# Altium PCB Stabiliser.PCBDOC (part 4 of 8) (continued)
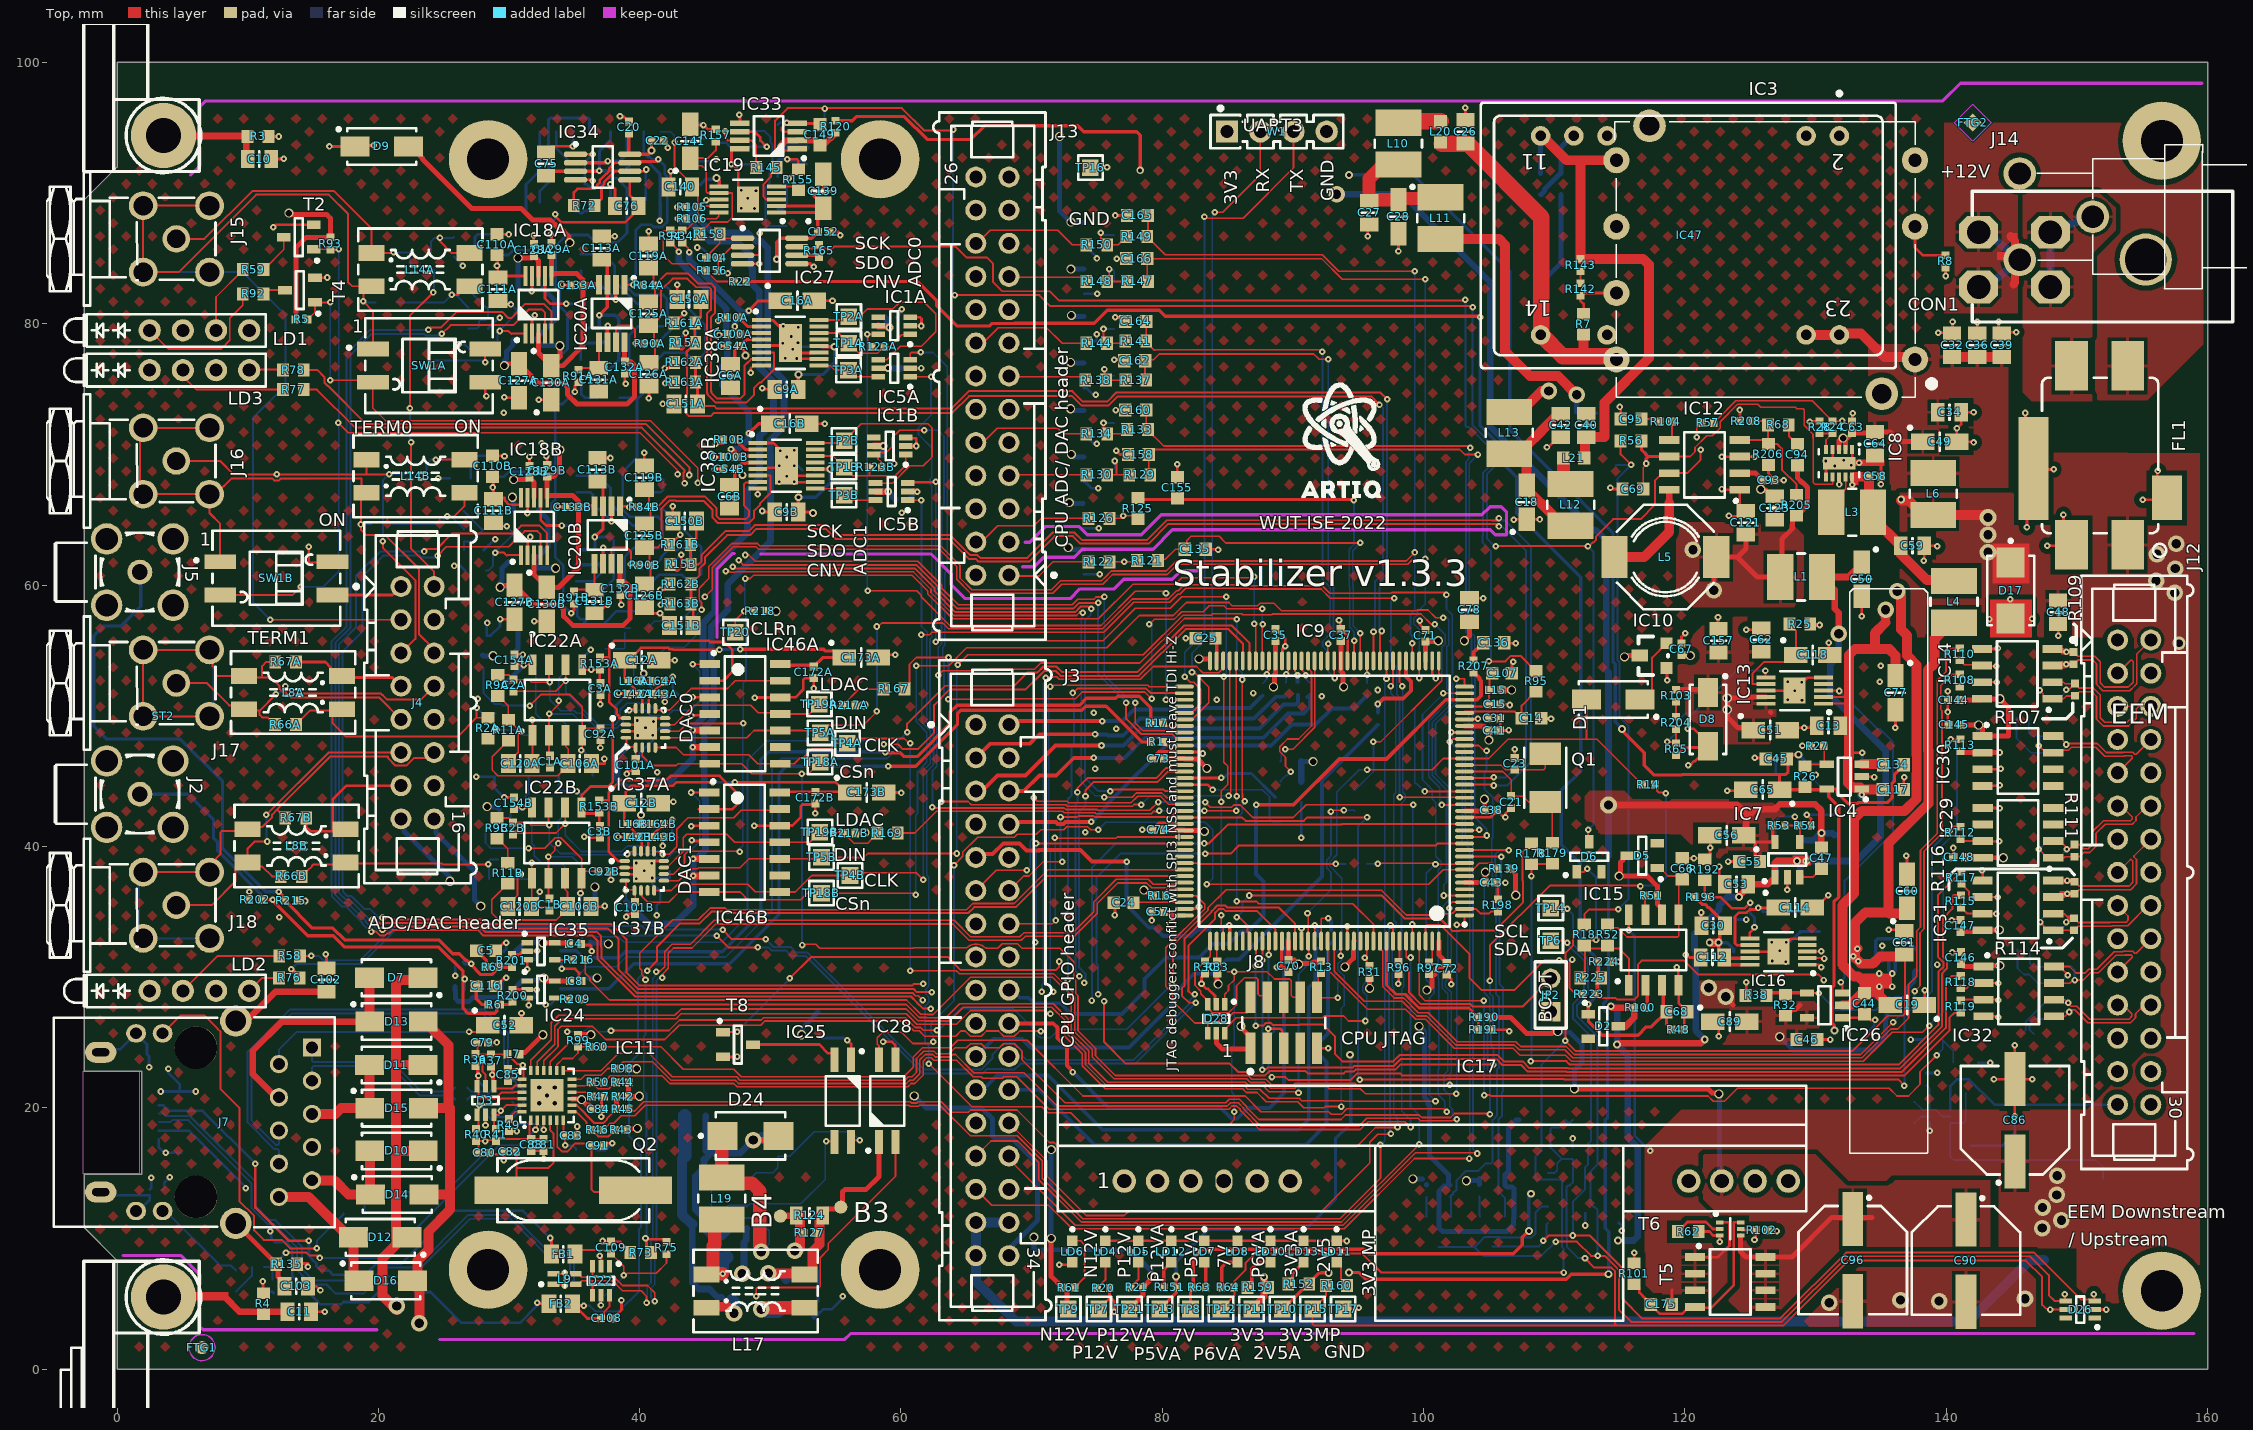
[diagram p0: Top view]
## Nets (pads, with @x,y where several pads share a name; then routed paths per layer and width w, separated by ;. In a path a pad name is that pad's centre, name@x,y a point inside that pad or via, vN(x,y) a via of type N, cw(c..) or ccw(c..) an arc to the next point about the centre after c; other vN are vias at no path point) (continued)
  Top w0.381: R218.2@49.708,58.008 49.711,58.004 50.443,58.004 v2(50.447,58.001)
  L3 w0.203: v1(84.159,51.227) 81.135,51.227 80.504,50.595 80.011,50.595 79.816,50.4 77.029,50.4 76.837,50.207 75.807,50.207 75.668,50.347 75.377,50.347 75.257,50.227 v1(74.748,50.227) 74.733,50.212 74.733,49.864 74.117,49.248 74.117,46.36 74.53,45.947 v1(74.854,45.947) 74.854,43.661 73.931,42.739 73.931,41.236 v1(74.094,41.072) 74.378,41.072 74.771,40.68 75.402,40.68 75.681,40.959 75.681,41.34 75.913,41.572 75.913,42.838 80.189,47.114 88.181,47.114 89.886,48.819 94.247,48.819 95.669,50.241 95.669,51.148 v1(96.495,51.973) 94.728,51.973 94.23,51.476 93.407,51.476 92.909,51.973 89.317,51.973 88.842,51.498 88.181,51.498 87.707,51.973 87.275,51.973 87.041,51.74 v1(86.97,51.74) 85.164,51.74 84.714,51.29
  Bot w0.203: J9.6@-2.211,13.545 -1.982,13.316 2.5,13.316 2.5,12.925 1.67,12.095 J7.L4@1.46,12.095 ; J9.7@-2.211,24.245 -1.982,24.475 0.239,24.475 J7.L2@1.46,25.695 2.3,24.855 2.3,24.095 2.452,23.944 v1(2.452,23.096) ; J9.9@2.526,13.772 2.625,13.871 v1(2.625,14.642) ; J9.5@3.2,17.595 3.2,16.963 3.617,16.545 J9.11@4.9,16.545 ; v1(3.359,21.245) v1(6.04,21.245) ; J9.9@3.454,13.695 3.603,13.844 3.603,14.237 v1(4.051,14.685) ; v1(3.939,22.987) 3.939,22.667 4.801,21.806 J9.10@4.801,21.245 ; v1(11.151,6.706) 11.138,6.693 11.138,6.04 11.257,5.921 R55.2@11.887,5.921 R55.2@11.989,5.819 ; v1(24.577,68.174) 24.583,68.179 R82B.1@25.467,68.179 ; R82A.1@25.801,85.144 26.467,84.479 v1(26.467,84.43) ; v1(25.882,30.096) D30.2@25.882,31.196 ; v1@25.882,61.468 26.274,61.468 C124B.1@26.632,61.11 ; v1@26.216,78.433 26.608,78.433 C124A.1@26.966,78.074 ; v1(27.5,45.346) 27.524,45.322 C98B.2@28.896,45.322 28.896,44.482 v1(29.628,43.75) ; R89B.1@28.067,62.67 28.897,63.5 v1(28.956,63.5) ; v1(28.331,57.105) 28.307,57.081 C98A.2@28.307,56.136 28.602,56.136 29.317,56.85 v1(29.317,57.404) ; R89A.1@28.401,79.634 29.232,80.465 v1(29.29,80.465) ; C163.1@29.49,29.1 29.49,29.636 v1(29.794,29.94) ; C161.1@29.592,31.957 29.794,32.159 v1(29.794,32.623) ; C97B.1@32.267,35.25 32.267,36.445 v1(32.357,36.535) ; v1(32.827,27.876) 32.866,27.916 33.165,27.916 33.569,28.32 33.569,28.352 33.667,28.45 IC21.3@33.942,28.45 ; C97A.1@33.796,45.419 33.796,44.461 34.036,44.221 v1(35.186,44.221) ; IC2.3@33.942,31.373 34.036,31.279 v3(34.036,30.627) ; RN3.7@34.897,94.701 34.9,94.698 v1(34.9,93.599) ; RN5A.4@35.607,53.91 35.607,54.409 v1(36.246,55.048) ; C87.1@36.741,16.764 37.389,16.764 v1(37.897,17.272) ; RN4.4@37.766,89.301 v1(37.766,90.67) ; v1(41.307,34.727) 41.307,35.492 C138B.2@41.578,35.764 41.578,36.535 40.953,37.16 v3(40.953,37.582) 42.303,37.582 C99B.2@42.303,38.11 ; v1(41.352,45.665) 39.958,47.058 40.998,48.098 v3(40.998,48.52) 41.526,49.048 C99A.2@42.348,49.048 ; C168.1@43.898,95.751 44.272,95.378 44.637,95.378 44.803,95.212 v1(44.883,95.212) ; v1(44.413,85.84) 44.47,85.784 44.779,85.784 45.419,85.144 R154.1@45.419,85.094 ; C122.1@44.653,92.442 45.638,92.442 45.793,92.597 v1(45.873,92.597) ; v1(47.019,92.202) IC42.5@48.364,92.202 ; C167.1@50.564,88.805 50.929,88.805 C167.1@51.25,89.126 ; IC42.4@50.564,91.272 50.564,92.481 50.683,92.6 v1(51.291,92.6) 51.371,92.6 51.52,92.45 52.515,92.45 IC42.3@52.764,92.202 ; IC42.8@50.564,95.222 50.719,95.378 v1(51.25,95.378) ; C167.1@51.25,89.276 51.25,90.922 51.408,91.08 v1(51.408,91.148) ; v3(51.84,69.133) 52.116,69.133 C137B.1@52.44,68.809 ; v3(52.121,78.549) 52.438,78.232 C137A.1@52.941,78.232 ; C105.1@53.646,4.353 53.252,3.959 53.34,3.871 54.041,4.572 54.676,4.572 55.601,5.496 55.55,5.547 v1(55.55,5.563) ; C33.1@53.646,7.529 53.646,5.248 C105.1@53.697,5.197 ; C7B.1@59.461,69.988 59.491,69.959 v1(59.491,69.305) ; C7A.1@59.647,80.5 60.014,80.868 60.014,81.071 v1(60.071,81.128) ; v1(60.071,65.533) v1@60.071,65.591 ; C159B.1@60.477,66.548 60.686,66.756 60.858,66.756 v1(61.259,67.158) ; C159A.1@60.877,76.6 60.89,76.614 v1(61.566,76.614) ; D25.1@73.925,64.356 73.929,64.36 v1(75.15,64.36) ; D23.1@74,60.827 v1(75.225,60.827) ; D27.1@74,67.912 74.1,67.912 74.6,67.412 v1(75.1,67.412) ; D29.1@74,71.462 74.1,71.462 74.733,70.83 v1(74.979,70.83) ; D31.1@74,75.084 74.2,75.084 74.7,74.584 v1(74.9,74.584) ; D33.1@74.025,78.655 74.925,78.655 74.975,78.705 v1(74.975,79.195) ; D35.1@74.025,82.291 v1(75.025,82.291) ; D34.1@74.025,85.841 74.225,85.841 75,85.066 v1(75,85) ; v1(90.643,40.675) R183.2@90.643,41.905 R182.2@90.643,43.367 ; v1(111.418,17.651) 111.418,16.989 C17.1@111.42,16.987 ; IC6.2@112.37,11.933 112.376,11.927 112.376,10.996 v1(112.383,10.989) ; v1(112.483,72.26) 112.54,72.316 112.54,72.472 113.234,73.166 C29.1@113.234,73.191 ; IC48.4@114.929,11.186 114.971,11.186 115.17,10.988 v1(115.17,10.574) ; C115.2@123.723,34.549 123.867,34.405 v1(124.692,34.405) ; v1(126.94,46.696) 126.94,45.626 C169.1@127.092,45.474 ; v3(127.748,32.671) 127.793,32.716 128.081,32.716 128.421,33.057 128.421,33.065 128.77,33.414 R210.1@128.82,33.414 ; v1(127.842,36.695) 127.867,36.72 127.867,37.761 IC45.2@127.892,37.786 ; R210.1@128.779,33.488 R211.1@130.3,33.488 ; v1(129.337,42.418) 131.392,42.418 C171.1@131.445,42.471 ; IC43.2@133.542,45.346 133.558,45.33 134.477,45.33 v1(134.493,45.314) ; C174.1@133.75,25.545 133.75,25.57 134.493,26.313 134.493,26.664 v1(134.55,26.721) ; IC44.6@135.107,31.177 135.107,32.399 v1(135.114,32.407) ; v1(137.274,25.222) R197.1@138.138,25.222 ; R196.1@138.46,22.665 v1(139.297,22.665) ; R195.1@141.91,17.098 144.293,17.098 145.25,18.056 v1(145.25,19.345) ; T11.2@142.444,23.444 v1(143.367,23.444) ; IC23.4@142.732,55.111 142.784,55.163 v1(143.955,55.163) ; v1(142.736,38.187) 142.783,38.141 IC40.4@142.783,37.39 ; IC39.5@142.791,44.636 143.97,44.636 144.027,44.693 v1(144.108,44.693) ; IC36.4@142.792,42.946 144.074,42.946 v1(144.082,42.937) ; IC41.5@142.843,27.001 142.876,26.968 143.948,26.968 v1(143.981,26.935) ; v1(35.186,44.221) 35.509,43.899 ; v1(35.186,44.221) 35.251,44.221 35.509,43.963 35.509,43.899 ; 35.509,43.899 35.509,43.025 RN5B.4@35.562,42.972 35.562,43.846 35.509,43.899
  other v1: 3.73,16.545 139.319,30.962 76.475,49.023 92.202,51.499 134.976,53.83 89.408,55.318 143.286,57.406 146.563,57.431 25.813,61.468 31.639,63.684 133.325,69.378 32.493,70.866 29.611,73.193 26.147,78.433 61.541,79.832 31.973,80.649
  other v3: 127.717,31.169 126.681,31.231 127.26,32.007 126.65,32.668 39.754,37.541 40.353,38.132 40.931,38.71 39.748,38.732 39.85,48.489 39.827,49.643 127.855,51.214 128.955,51.202 128.403,51.911 128.943,52.571 127.855,52.591 50.67,67.922 51.842,67.922 51.25,68.328 131.47,69.113 132.715,69.163 130.785,69.5 132.156,69.545 51.25,69.809 50.76,70.295 51.84,70.309 52.03,77.343 51.13,77.368 51.6,79.026 52.15,79.731 50.978,79.819 47.777,88.83 48.793,88.824 48.287,89.611 48.902,90.195 47.777,90.221
  other v5: 131.039,5.068 139.45,5.207 136.5,5.283 146.025,5.385
  other v6: 32.305,20.345 33.505,20.345 32.905,20.945 32.305,21.545 33.505,21.545
GNDF: CON1.1 CON1.2 FL1.3 J14.1 | length 7.7
  Bot w0.635: CON1.2@147.971,82.816 CON1.1@147.971,87.016 149.153,87.51 J14.1@151.217,88.2
HRTIM_CHA1: IC9.96 J3.14 | length 20.1
  Top w0.127: J3.14@68.27,34.08 71.596,34.08 71.85,34.334 v1(71.857,34.334) ; v1(71.755,40.665) 71.788,40.632 76.447,40.632 76.542,40.727 IC9.96@81.684,40.727
  Top w0.152: J3.14@68.27,34.08 J3.14@68.292,34.058
  Bot w0.127: v1(71.755,40.665) 71.806,40.615 71.806,34.385 v1(71.857,34.334)
HRTIM_CHA2: IC9.97 J3.15 | length 23.9
  Top w0.127: v1(70.333,40.227) 70.335,40.225 81.682,40.225 IC9.97@81.684,40.227
  L3 w0.127: J3.15@65.73,31.54 66.852,32.662 v1(70.264,32.662)
  Bot w0.127: v1(70.264,32.662) 70.333,32.731 v1(70.333,40.227)
HRTIM_CHE1: IC9.91 J3.11 | length 22.5
  Top w0.127: J3.11@65.73,36.62 67.28,38.17 69.615,38.17 v1(69.621,38.176) ; v1(70.165,43.727) 70.439,43.453 72.707,43.453 72.819,43.341 75.211,43.341 75.218,43.335 77.61,43.335 78.116,43.84 79.866,43.84 80.479,43.227 IC9.91@81.684,43.227
  Bot w0.127: v1(69.621,38.176) 69.893,38.448 69.893,40.409 70.165,40.682 v1(70.165,43.727)
HRTIM_CHE2: IC9.92 J3.12 | length 18.2
  Top w0.127: J3.12@68.27,36.62 69.386,37.736 69.804,37.736 70.909,38.841 v1(72.331,38.841) ; v1(72.209,42.25) 73.496,42.25 73.571,42.325 74.757,42.325 74.825,42.257 80.639,42.257 81.109,42.727 IC9.92@81.684,42.727
  Bot w0.127: v1(72.209,42.25) 72.209,39.063 72.331,38.942 v1(72.331,38.841)
I2C1_SCL: IC9.139 J3.27 | length 56.4
  Top w0.127: J3.27@65.73,16.3 66.885,17.455 68.937,17.455 70.55,15.842 70.55,14.501 73.799,11.252 93.721,11.252 v1(99.659,17.191) ; IC9.139@98.659,32.752 98.659,31.506 98.665,31.5 v1(99,31.5)
  Bot w0.127: v1(99,31.5) 99,20.096 99.659,19.437 v1(99.659,17.191)
I2C1_SDA: IC9.137 J3.26 | length 53.7
  Top w0.127: J3.26@68.27,18.84 71.181,15.929 71.181,14.755 74.176,11.76 77.094,11.76 77.424,12.09 92.186,12.09 95.869,15.773 95.869,17.354 96.495,17.979 97.479,17.979 v1(97.5,18) ; v1(97.465,33.974) 97.659,33.78 IC9.137@97.659,32.752
  Bot w0.127: v1(97.465,33.974) 97.35,33.859 97.35,23.035 97.425,22.96 97.425,18.075 v1(97.5,18)
I2C2_SCL: IC9.11 R23.2 T3.2 | length 35
  Top w0.152: IC9.11@103.134,39.727 106.483,39.727 v1(106.514,39.696)
  Bot w0.152: R23.2@102.005,13.154 102.025,13.154 102.239,13.368 102.239,13.511 102.328,13.601 102.4,13.601 102.519,13.72 102.519,14.446 103.242,15.17 104.184,15.17 104.765,15.751 105.19,15.751 105.279,15.84 105.279,19.061 105.6,19.381 105.6,22.924 105.785,23.109 105.785,28.457 105.531,28.711 105.531,37.53 105.535,37.535 105.535,38.66 105.481,38.714 105.481,39.397 105.78,39.696 v1(106.514,39.696) ; T3.2@102.105,11.633 R23.2@102.105,13.306
I2C2_SDA: IC9.10 R74.2 T1.2 | length 31
  Top w0.152: IC9.10@103.134,39.227 105.916,39.227 v1(105.934,39.209)
  Bot w0.152: v1@105.81,39.085 v1(105.934,39.209) 105.934,37.539 105.81,37.415 105.81,29.463 106.064,29.209 106.064,21.258 106.013,21.207 106.013,19.4 105.717,19.104 105.717,13.597 106.21,13.104 R74.2@106.23,13.104 106.229,13.102 T1.2@106.229,11.691
I2C_SCL: D26.4 IC6.1 IC48.6 J12.27 T3.3 TP14.1 | length 124
  Top w0.152: TP14.1@109.728,35.281 110.946,35.281 v1(110.985,35.242) ; v1(110.101,9.754) 111.723,9.754 112.814,8.663 v1(113.32,8.663) 113.869,8.663 114.943,7.589 114.943,4.549 115.885,3.607 127.418,3.607 132.447,8.636 146.41,8.636 147.859,7.187 147.859,5.667 148.244,5.283 148.319,5.208 D26.4@149.159,5.208 149.105,5.262 v1@149.105,5.729
  L3 w0.152: v1(149.082,5.729) 148.323,5.729 144.691,9.362 144.691,16.28 146.235,17.823 153.443,17.823 154.306,18.686 154.306,21.587 153.242,22.651 153.242,22.778 J12.27@153.114,22.778
  Bot w0.152: T3.3@101.155,9.333 103.895,9.333 ; IC48.6@109.529,12.456 109.054,12.456 108.55,11.953 108.55,10.802 108.561,10.791 108.561,10.372 108.266,10.077 105.822,10.077 105.78,10.119 104.681,10.119 103.895,9.333 ; v1(110.101,9.754) 109.011,8.663 104.564,8.663 103.895,9.333 ; v1(110.985,35.242) 111.438,34.789 111.438,32.473 112.598,31.313 112.598,28.703 111.724,27.829 111.724,27.041 113.32,25.445 113.32,15.671 112.816,15.168 112.816,14.893 112.776,14.852 112.776,12.664 113.033,12.407 113.096,12.407 113.32,12.183 IC6.1@113.32,11.933 v1(113.32,8.663)
I2C_SDA: D26.3 IC6.3 IC48.5 J12.26 T1.3 TP6.1 | length 115.6
  Top w0.152: v1(109.164,9.825) 109.564,10.226 v1(111.418,10.226) 112.701,10.226 115.222,7.704 115.222,5.373 116.709,3.886 127.302,3.886 132.331,8.915 146.728,8.915 150.325,5.318 D26.3@150.886,5.318 ; TP6.1@109.728,32.789 110.737,32.789 110.891,32.635 v1(110.985,32.635) ; v1@151.328,5.729 151.328,5.238 D26.3@151.359,5.208 v1@151.359,5.729
  L3 w0.152: v1(151.297,5.729) 151.297,7.876 150.673,8.5 145.948,8.5 144.971,9.477 144.971,16.164 146.24,17.433 153.566,17.433 154.651,18.518 154.651,24.315 J12.26@155.654,25.318
  Bot w0.152: T1.3@105.279,9.391 108.813,9.391 109.164,9.741 109.164,9.919 109.405,10.16 109.405,11.063 IC48.5@109.529,11.186 ; v1(110.985,32.635) 110.985,32.541 111.159,32.368 111.159,32.357 112.319,31.197 112.319,29.646 112.279,29.607 112.279,28.779 111.444,27.945 111.444,26.81 112.816,25.438 112.816,17.479 112.598,17.261 112.598,15.671 112.37,15.442 112.37,13.767 111.42,12.817 IC6.3@111.42,11.933 111.42,10.227 v1(111.418,10.226)
INA_N: C119A.2 C125A.2 IC38A.7 R84A.2 | length 23.4
  Top w0.152: C125A.2@40.692,81.654 41.162,82.124 R84A.2@41.162,82.939 ; C119A.2@40.692,84.289 41.056,83.925 41.056,83.045 R84A.2@41.162,82.939 ; IC38A.7@49.171,77.266 IC38A.7@49.337,77.266 ; IC38A.7@49.337,77.294 48.538,77.294 48.313,77.068 48.29,77.068 48.006,76.784 48.006,74.579 47.725,74.298 45.913,74.298 45.51,74.701 45.51,74.8 45.455,74.854 45.455,80.508 45.76,80.812 45.76,82.805 45.463,83.102 44.452,83.102 43.688,83.866 42.089,83.866 R84A.2@41.162,82.939
INA_P: C125A.1 C126A.1 IC38A.6 R90A.2 | length 28.3
  Top w0.152: C126A.1@40.714,77.043 41.162,77.492 41.162,78.479 41.098,78.544 41.098,79.449 C125A.1@40.692,79.854 40.941,79.854 41.631,80.543 41.631,82.52 41.656,82.545 41.656,82.603 42.517,83.465 43.658,83.465 44.325,82.797 45.336,82.797 45.455,82.678 45.455,81.06 45.151,80.755 45.151,74.728 45.205,74.673 45.205,74.574 45.787,73.993 48.191,73.993 48.764,74.566 48.764,75.094 49.189,75.519 49.317,75.519 50.273,76.475 50.273,77.794 IC38A.6@49.337,77.794 ; IC38A.6@49.171,77.766 IC38A.6@49.337,77.766
INB_N: C119B.2 C125B.2 IC38B.7 R84B.2 | length 15.8
  Top w0.152: C125B.2@40.358,64.689 40.828,65.16 R84B.2@40.828,65.974 ; C119B.2@40.358,67.324 40.722,66.96 40.722,66.081 R84B.2@40.828,65.974 ; IC38B.7@49.039,67.883 49.021,67.864 48.129,67.864 48,67.736 48,66.08 48.358,65.722 48.358,65.274 48.13,65.046 46.123,65.046 45.885,65.283 45.885,65.877 44.968,66.794 42.172,66.794 41.352,65.974 R84B.2@40.828,65.974
INB_P: C125B.1 C126B.1 IC38B.6 R90B.2 | length 20.6
  Top w0.152: C126B.1@40.379,60.078 40.828,60.527 40.828,61.515 40.763,61.579 40.763,62.484 C125B.1@40.358,62.889 41.388,62.889 41.656,63.158 41.656,65.847 42.298,66.489 42.725,66.489 42.767,66.446 44.884,66.446 45.581,65.75 45.581,65.157 45.997,64.741 48.337,64.741 48.768,65.173 48.768,65.701 49.193,66.126 49.193,66.236 50.007,67.05 50.007,68.383 IC38B.6@49.039,68.383
INVA: C2A.1 IC22A.6 IC37A.13 IC46A.13 | length 26.6
  Top w0.127: C2A.1@30.353,51.87 30.368,51.885 33.57,51.885 v1(34.35,52.665) 34.35,53.897 IC22A.6@34.337,53.91 ; IC37A.13@41.198,50.52 41.275,50.442 v1(41.853,50.442) ; v1@41.853,50.428 41.868,50.442 42.301,50.442 43.951,52.092 46.73,52.092 47.319,52.681 IC46A.13@50.52,52.681
  Bot w0.127: v1(34.35,52.665) 34.35,51.803 36.833,49.321 38.132,49.321 38.483,49.671 38.483,50.428 39.025,50.97 40.624,50.97 41.152,50.442 v1(41.853,50.442)
INVB: C2B.1 IC22B.6 IC37B.13 IC46B.13 | length 26.5
  Top w0.127: C2B.1@30.308,40.932 30.402,41.026 33.604,41.026 v1(34.305,41.727) 34.305,42.959 IC22B.6@34.292,42.972 ; IC37B.13@41.153,39.582 41.164,39.582 41.183,39.601 41.465,39.601 41.657,39.409 v1(41.758,39.409) ; v1@41.758,39.365 41.801,39.409 42.256,39.409 42.828,39.981 42.828,41.32 43.698,42.19 47.194,42.19 47.776,42.773 50.393,42.773 IC46B.13@50.481,42.86
  Bot w0.127: v1(34.305,41.727) 34.305,40.866 35.551,39.619 38.641,39.619 39.053,40.032 40.449,40.032 40.806,39.675 41.083,39.675 41.086,39.672 41.398,39.672 41.66,39.409 v1(41.758,39.409)
JADC1_IN2_N: J13.4 R126.2 | length 9.1
  Top w0.127: J13.4@66,63.236 66.104,63.236 67.401,64.533 70.165,64.533 70.738,65.106 R126.2@74.35,65.106
JADC1_IN2_P: J13.1 R122.2 | length 6.3
  Top w0.127: J13.1@68.54,60.696 70.56,60.696 71.641,61.777 R122.2@74.35,61.777
JADC2_IN2_N: J13.16 R144.2 | length 9.2
  Top w0.127: J13.16@66,78.476 66.222,78.476 67.454,79.708 71.143,79.708 72.339,78.512 R144.2@74.175,78.512
JADC2_IN2_P: J13.13 R138.2 | length 5.7
  Top w0.127: J13.13@68.54,75.936 73.851,75.936 R138.2@74.1,75.687
JADC3_IN5_N: J13.10 R134.2 | length 8.8
  Top w0.127: J13.10@66,70.856 66.217,70.856 67.368,72.008 72,72.008 72.428,71.58 R134.2@74.179,71.58
JADC3_IN5_P: J13.7 R130.2 | length 5.7
  Top w0.127: J13.7@68.54,68.316 68.66,68.436 R130.2@74.179,68.436
LED1: IC11.2 R55.1 R213.1 | length 27.2
  Top w0.152: v1(12.933,8.915) 14.504,8.915 14.742,8.678 15.338,8.678 v1(15.512,8.504) ; v1(32.029,18.313) 32.155,18.439 IC11.2@32.155,19.045
  Bot w0.152: R213.1@11.265,7.827 11.844,7.827 11.887,7.87 ; R55.1@11.887,6.861 11.887,7.87 ; v1(12.933,8.915) 11.887,7.87 ; v1(15.512,8.504) 16.545,8.504 20.64,8.504 29.231,17.094 30.81,17.094 v1(32.029,18.313)
LED2: IC11.3 R212.1 | length 14.9
  Top w0.152: IC11.3@32.655,19.045 32.655,18.322 v1(32.664,18.313)
  Bot w0.152: R212.1@20.883,13.564 25.15,13.564 30.353,18.767 32.217,18.767 32.664,18.319 v1(32.664,18.313)
LPTIM2_OUT: IC9.74 J3.17 | length 38.8
  Top w0.152: v1(73.152,51.748) 73.159,51.748 73.494,52.083 78.768,52.083 79.107,51.743 81.668,51.743 IC9.74@81.684,51.727
  L3 w0.127: J3.17@65.73,29 J3.17@65.908,29
  L3 w0.152: J3.17@65.73,29 66.733,30.003 71.945,30.003 72.154,29.794 v1(72.771,29.794)
  Bot w0.152: v1(72.771,29.794) 72.784,29.807 72.784,43.631 73.082,43.93 73.054,43.957 73.054,47.618 73.257,47.821 73.257,51.193 73.181,51.269 73.181,51.719 v1(73.152,51.748)
LVDS0_N: IC14.4 IC23.5 J12.3 R109.2 | length 12.5
  Top w0.127: IC14.4@148.132,55.111 148.97,55.111 ; v1(149.2,54.883) R109.2@149.732,54.883 150.062,54.553 151.352,54.553 151.779,54.126 151.779,52.52 152.099,52.2 153.93,52.2 154.309,52.578 154.309,54.153 154.207,54.254 154.11,54.254 J12.3@153.114,53.258
  Bot w0.127: IC23.5@148.132,55.111 148.362,54.881 149.197,54.881 v1(149.2,54.883)
LVDS0_P: IC14.3 IC23.6 J12.2 R109.1 | length 13.4
  Top w0.127: IC14.3@148.132,53.841 v1@148.97,53.841 ; v1@149.182,53.943 R109.1@149.732,53.943 150.062,54.274 151.218,54.274 151.5,53.991 151.5,52.404 151.984,51.92 154.046,51.92 154.448,52.322 154.588,52.463 154.588,54.732 J12.2@155.654,55.798
  Bot w0.127: IC23.6@148.132,53.841 149.068,53.841 v1(149.182,53.955)
LVDS1_N: IC14.1 IC23.7 J12.6 R107.1 | length 13.6
  Top w0.127: v1(147.142,51.948) 147.42,51.67 147.42,51.538 147.657,51.301 IC14.1@148.132,51.301 148.97,51.301 149.183,51.514 149.863,51.514 150.193,51.845 151.133,51.845 151.5,51.478 151.5,49.736 152.015,49.221 153.941,49.221 154.533,49.812 154.533,50.519 154.732,50.718 J12.6@155.654,50.718
  Bot w0.127: v1(147.142,51.948) 147.169,51.948 147.244,52.023 147.244,52.133 147.42,52.309 147.42,52.335 147.657,52.571 IC23.7@148.132,52.571
LVDS1_P: IC14.2 IC23.8 J12.5 R107.2 | length 12.7
  Top w0.127: IC14.2@148.132,52.571 148.97,52.571 149.087,52.454 R107.2@149.825,52.454 ; v1(149.174,51.999) 149.246,52.07 149.461,52.07 149.614,52.223 149.614,52.243 R107.2@149.825,52.454 ; R107.2@149.86,52.469 149.84,52.469 R107.2@149.825,52.454 ; J12.5@153.114,50.718 154.031,50.718 154.254,50.495 154.254,49.928 153.826,49.5 152.131,49.5 151.779,49.852 151.779,51.593 151.249,52.124 150.155,52.124 R107.2@149.825,52.454
  Bot w0.127: IC23.8@148.132,51.301 148.368,51.538 148.86,51.538 149.063,51.741 149.063,51.787 149.174,51.898 v1(149.174,51.999)
LVDS2_N: IC30.7 IC39.1 J12.9 R173.1 | length 13.5
  Top w0.127: v1(147.091,47.701) 147.38,47.412 147.946,47.412 IC30.7@148.183,47.176 148.369,47.362 149.357,47.362 149.589,47.595 151.443,47.595 152.129,46.908 153.64,46.908 153.669,46.937 154.159,46.937 154.233,46.862 154.233,46.757 J12.9@153.114,45.638
  Bot w0.127: R173.1@146.317,49.852 146.317,48.679 146.558,48.438 147.234,48.438 ; v1(147.091,47.701) 147.163,47.773 147.163,47.957 147.168,47.962 147.168,48.371 147.234,48.438 ; IC39.1@148.191,48.446 147.242,48.446 147.234,48.438
LVDS2_P: IC30.8 IC39.2 J12.8 R173.2 | length 15.6
  Top w0.127: v1@149.174,47.897 149.197,47.874 v1@149.213,47.874 ; J12.8@155.654,48.178 154.536,47.06 154.431,47.06 154.274,47.216 153.553,47.216 153.525,47.188 152.245,47.188 151.559,47.874 v1@149.213,47.874 ; IC30.8@148.86,48.243 148.385,48.243 IC30.8@148.183,48.446 148.658,48.446 IC30.8@148.86,48.243 ; IC30.8@148.86,48.243 148.946,48.158 148.946,48.064 149.174,47.835 v1@149.213,47.874
  Bot w0.127: R173.2@145.377,49.852 145.377,48.289 146.49,47.176 IC39.2@148.191,47.176 148.428,47.412 148.951,47.412 149.025,47.487 149.025,47.553 149.174,47.702 v1(149.174,47.803)
LVDS3_N: IC29.1 IC36.7 J12.12 R111.1 | length 12.7
  Top w0.127: v1(147.091,39.789) 147.481,39.4 147.481,39.372 147.718,39.136 IC29.1@148.193,39.136 149.031,39.136 149.102,39.206 R111.1@149.811,39.206 150.185,39.206 150.515,39.536 150.988,39.536 151.463,40.012 151.463,41 152.163,41.7 154.241,41.7 154.524,41.983 154.524,42.257 155.365,43.098 J12.12@155.654,43.098
  Bot w0.127: v1(147.091,39.789) 147.128,39.789 147.481,40.142 147.481,40.169 147.717,40.406 IC36.7@148.192,40.406 IC36.7@148.245,40.353
LVDS3_P: IC29.2 IC36.8 J12.11 R111.2 | length 11.2
  Top w0.127: IC29.2@148.193,40.406 148.701,40.406 149.212,39.895 149.212,39.79 v1(149.225,39.776) 149.422,39.776 149.792,40.146 R111.2@149.811,40.146 150.185,40.146 150.515,39.816 150.872,39.816 151.184,40.128 151.184,41.116 152.048,41.979 154.125,41.979 154.245,42.099 154.245,42.257 153.403,43.098 J12.11@153.114,43.098
  Bot w0.127: IC36.8@148.192,39.136 148.667,39.136 148.904,39.372 148.904,39.455 v1(149.225,39.776)
LVDS4_N: IC31.4 IC40.5 J12.15 R116.2 | length 10.7
  Top w0.127: IC31.4@148.183,37.39 149.021,37.39 v1@149.106,37.305 ; v1@149.351,37.305 R116.2@149.811,37.305 150.142,36.975 153.993,36.975 154.281,37.263 154.281,38.884 154.165,39 154.096,39 J12.15@153.114,38.018
  Bot w0.127: IC40.5@148.183,37.39 v1(149.248,37.39) ; v1(149.248,37.39) 149.274,37.39 149.337,37.327 149.311,37.327 v1(149.248,37.39)
LVDS4_P: IC31.3 IC40.6 J12.14 R116.1 | length 12.1
  Top w0.127: IC31.3@148.183,36.12 149.021,36.12 v1(149.266,36.365) R116.1@149.811,36.365 150.142,36.696 154.109,36.696 154.56,37.147 154.56,39 154.362,39.198 154.362,39.266 J12.14@155.654,40.558
  Bot w0.127: IC40.6@148.183,36.12 148.658,36.12 148.961,36.424 149.208,36.424 v1(149.266,36.365)
LVDS5_N: IC31.1 IC40.7 J12.18 R114.1 | length 10.9
  Top w0.127: v1(147.193,34.214) 147.471,33.936 147.471,33.817 147.708,33.58 IC31.1@148.183,33.58 149.4,33.58 149.409,33.571 R114.1@149.783,33.571 150.113,33.901 152.676,33.901 152.704,33.929 153.88,33.929 155.43,35.478 J12.18@155.654,35.478
  Bot w0.127: v1(147.193,34.214) 147.195,34.214 147.269,34.288 147.269,34.405 147.471,34.607 147.471,34.614 147.708,34.85 IC40.7@148.183,34.85
LVDS5_P: IC31.2 IC40.8 J12.17 R114.2 | length 9.3
  Top w0.127: IC31.2@148.183,34.85 149.021,34.85 149.361,34.511 ; v1(149.174,34.214) 149.174,34.239 149.361,34.426 149.361,34.511 ; J12.17@153.114,35.478 153.91,34.683 153.91,34.354 153.764,34.208 152.588,34.208 152.561,34.18 150.113,34.18 R114.2@149.783,34.511 149.361,34.511
  Bot w0.127: IC40.8@148.183,33.58 148.419,33.817 148.975,33.817 149.103,33.944 149.103,34.142 v1(149.174,34.214)
LVDS6_N: IC32.7 IC41.1 J12.21 R174.1 | length 14.2
  Top w0.127: IC32.7@148.243,29.541 149.454,29.541 149.762,29.849 v1(149.833,29.777) 150.485,29.777 151.029,30.321 151.636,30.321 152.984,31.668 153.64,31.668 153.669,31.697 154.159,31.697 154.233,31.622 154.233,31.517 J12.21@153.114,30.398
  Bot w0.127: R174.1@146.393,32.121 146.393,31.051 146.66,30.785 148.217,30.785 IC41.1@148.243,30.811 149.58,30.811 149.809,30.582 149.809,29.801 v1(149.833,29.777)
LVDS6_P: IC32.8 IC41.2 J12.20 R174.2 | length 15.8
  Top w0.127: IC32.8@148.243,30.811 IC32.8@148.718,30.811 ; v1(149.293,30.15) 149.293,30.175 148.955,30.514 148.955,30.574 IC32.8@148.718,30.811 ; J12.20@155.654,32.938 154.536,31.82 154.431,31.82 154.274,31.976 153.553,31.976 153.525,31.948 152.868,31.948 151.521,30.601 150.913,30.601 150.628,30.315 149.923,30.315 149.428,30.811 IC32.8@148.718,30.811
  Bot w0.127: R174.2@145.453,32.121 145.453,30.69 145.948,30.194 146.361,30.194 147.015,29.541 IC41.2@148.243,29.541 148.718,29.541 148.955,29.777 148.955,29.811 v1(149.293,30.15)
LVDS7_N: IC32.5 IC41.4 J12.24 R175.2 | length 13.1
  Top w0.127: IC32.5@148.243,27.001 149.082,27.001 v1(149.41,27.329) 149.577,27.496 149.834,27.496 150.83,26.5 154.098,26.5 154.401,26.802 154.482,26.884 154.482,27.186 155.155,27.858 J12.24@155.654,27.858
  Bot w0.127: R175.2@146.697,25.636 146.697,25.656 146.47,25.882 146.441,25.882 146.366,25.957 146.366,26.428 146.736,26.797 148.04,26.797 IC41.4@148.243,27.001 148.718,27.001 149.047,27.329 v1(149.41,27.329)
LVDS7_P: IC32.6 IC41.3 J12.23 R175.1 | length 13.4
  Top w0.127: IC32.6@148.243,28.271 149.082,28.271 v1(149.33,28.023) 149.577,27.775 149.997,27.775 150.993,26.779 153.982,26.779 154.203,27 154.203,27.186 153.531,27.858 J12.23@153.114,27.858
  Bot w0.127: R175.1@145.757,25.636 145.757,25.656 145.983,25.882 146.013,25.882 146.087,25.957 146.087,26.589 147.768,28.271 IC41.3@148.243,28.271 148.296,28.218 148.751,28.218 148.946,28.023 v1(149.33,28.023)
MCO_2: IC9.99
N12V0_CHA: C92A.2 C97A.2 D21A.1 IC22A.4 L18A.2 | length 17.9
  Top w0.127: IC22A.4@35.607,48.932 35.71,49.035 C92A.2@37.002,49.035
  Top w0.152: v1(31.596,50.77) 32.444,51.618 34.679,51.618 35.607,50.691 35.607,48.932 IC22A.4@35.607,48.51 35.607,47.448 v1(35.517,47.358)
  Bot w0.152: L18A.2@27.986,53.715 28.031,53.67 D21A.1@28.031,52.459 28.031,51.759 28.903,50.887 29.391,50.887 29.508,50.77 v1(31.596,50.77) ; v1(35.517,47.358) 35.646,47.358 36.396,46.607 C97A.2@36.396,45.419
N12V0_CHB: C92B.2 C97B.2 D21B.1 IC22B.4 L18B.2 | length 16.8
  Top w0.127: v1(31.495,39.859) 32.744,39.859 33.553,40.667 33.95,40.667 35.562,39.055 IC22B.4@35.562,37.994 ; v1(35.472,36.42) 35.562,36.51 IC22B.4@35.562,37.572 IC22B.4@35.562,37.994 ; C92B.2@36.957,38.097 35.665,38.097 IC22B.4@35.562,37.994
  Bot w0.127: D21B.1@28.207,41.309 28.207,40.257 28.605,39.859 v1(31.495,39.859) ; C97B.2@34.867,35.25 C97B.2@35.145,35.25 ; v1(35.472,36.42) 35.472,35.703 35.535,35.64 C97B.2@35.145,35.25 ; L18B.2@36.489,34.927 36.166,35.25 C97B.2@35.145,35.25